# Altium PCB DI543.PcbDoc (part 6 of 8)
Units mil, origin at the board's own origin, x right, y up, seen from the top; angles counter-clockwise.
Board outline 8666.42 x 9192.01 mil, 4 copper layers (Top Layer, Mid-Layer 1, Mid-Layer 2, Bottom Layer), stack 35.6 mil thick; 694 components, 500 nets, 2441 pads, 1661 vias.
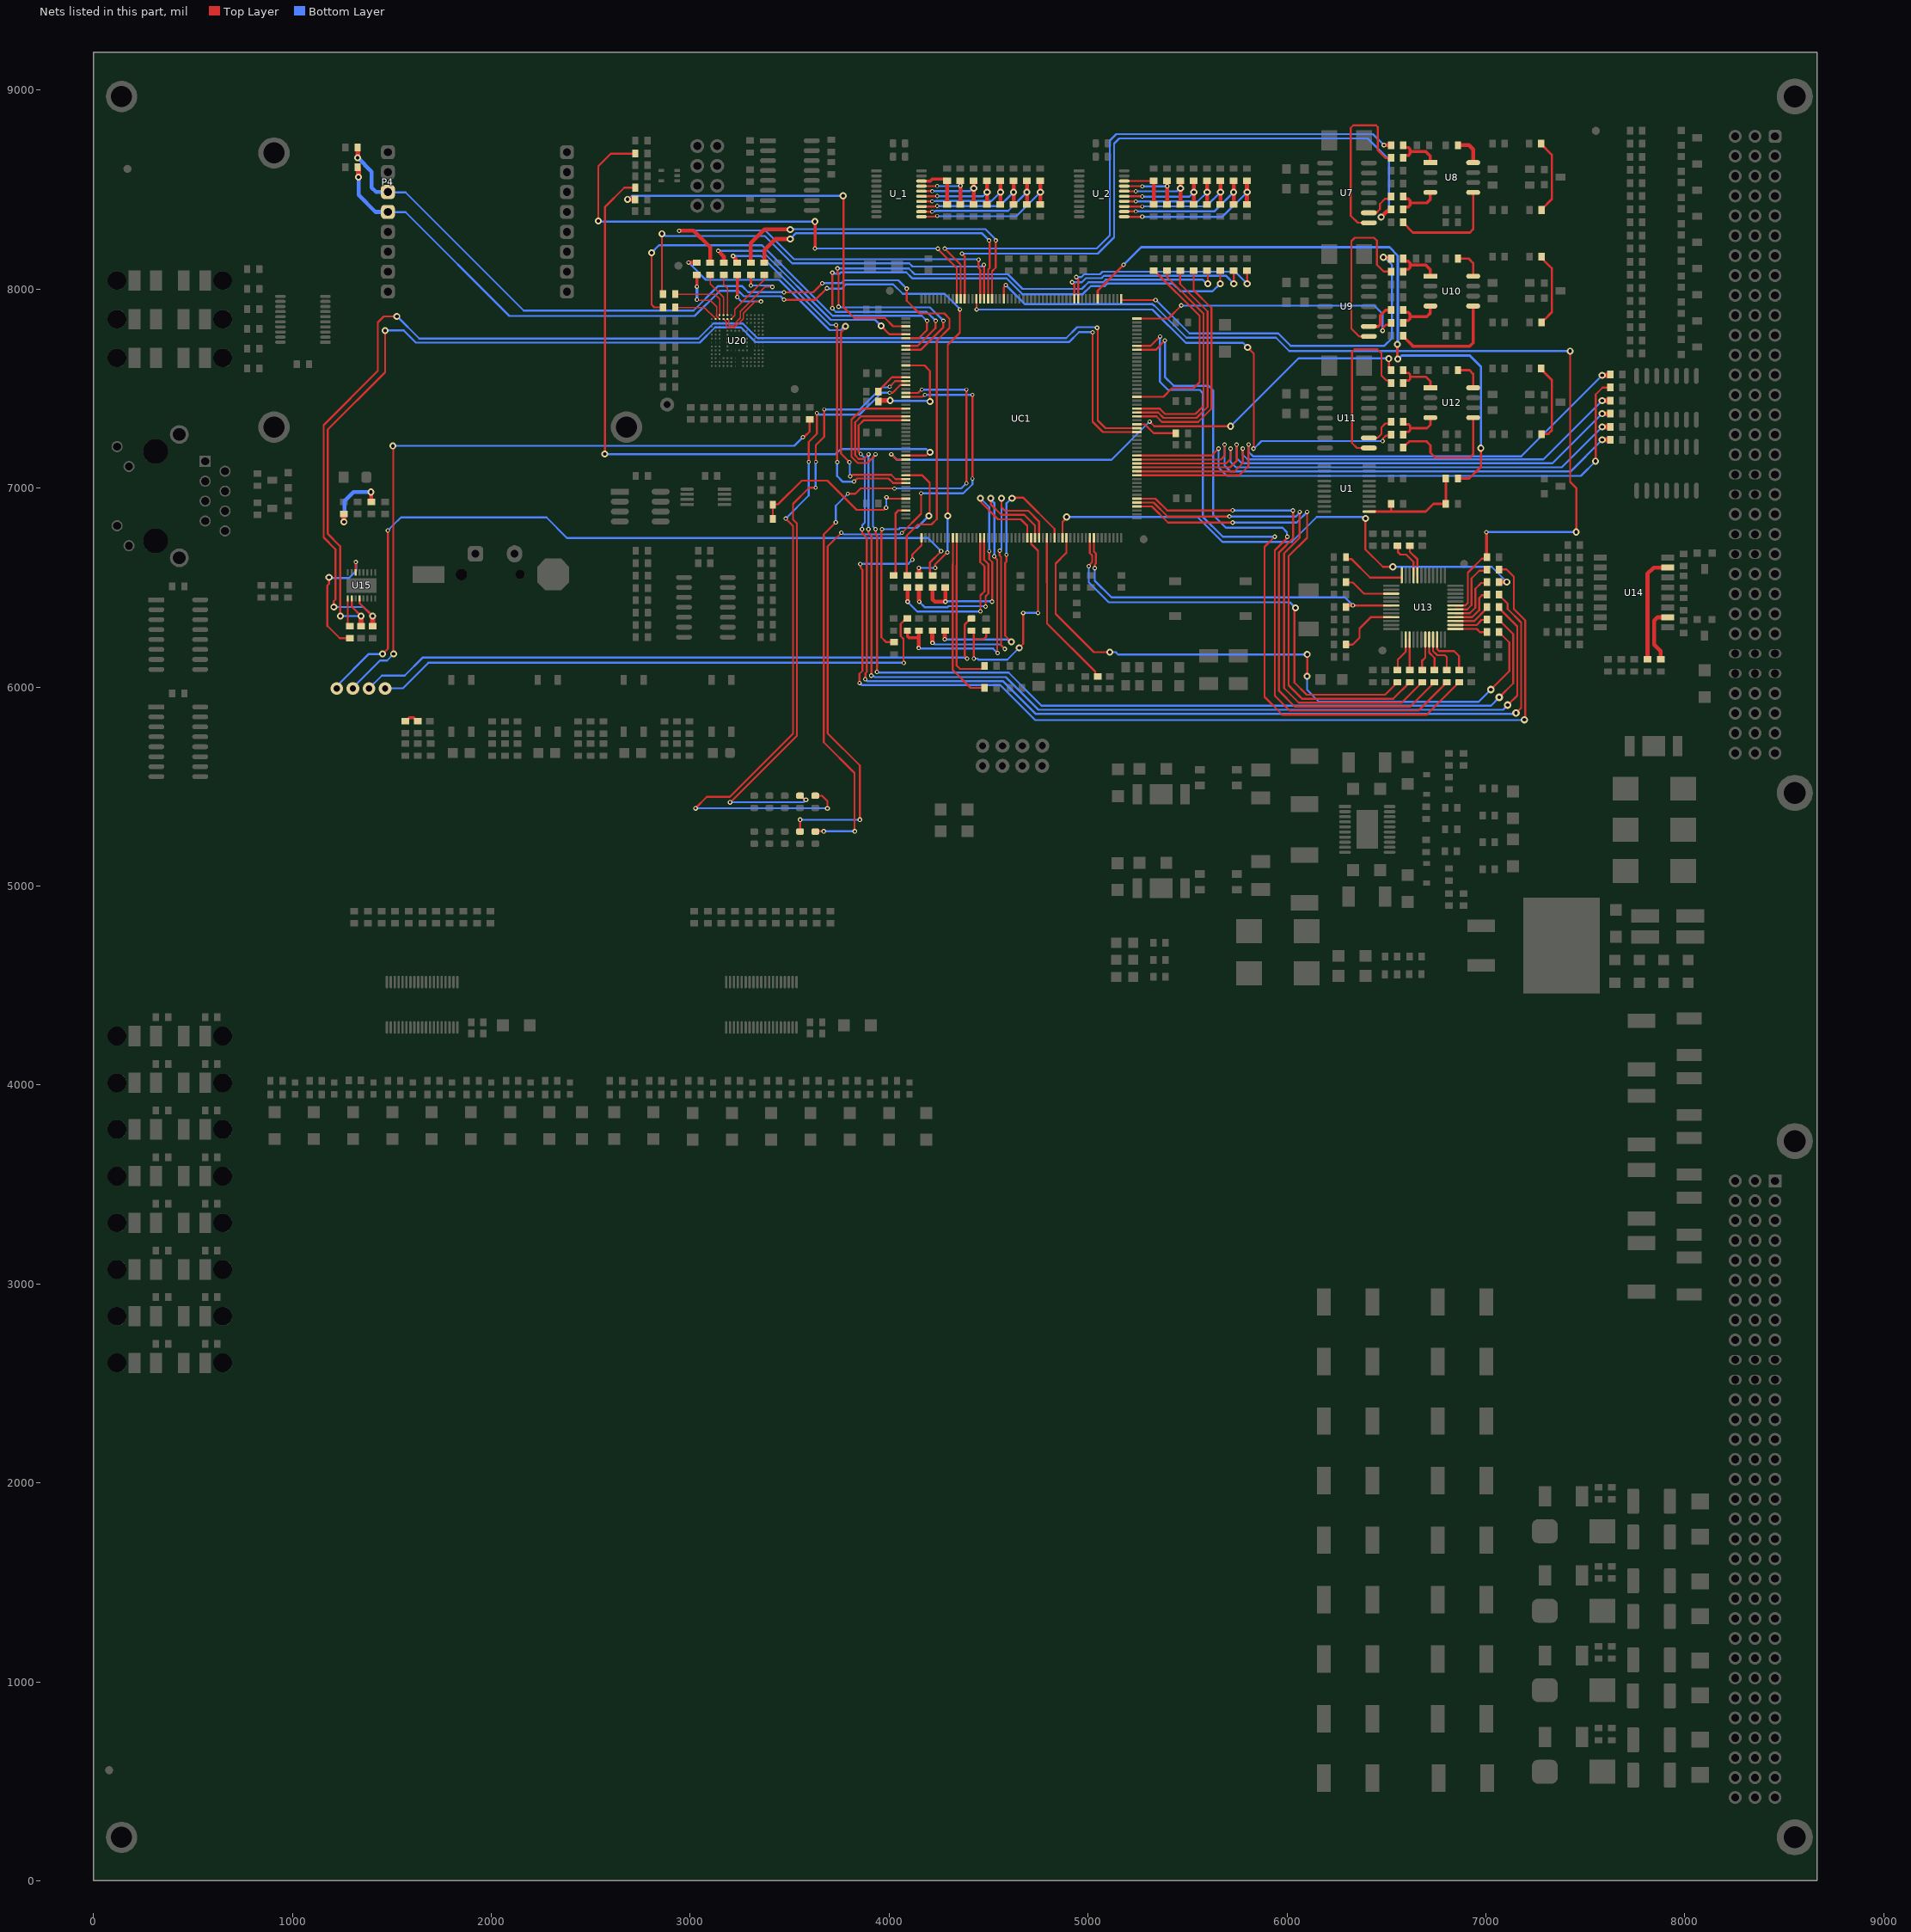
[diagram p8: the nets of this part, all layers, seen from the top]

## Via types
v1: diameter 35, hole 18, Top Layer to Bottom Layer, tented both sides, 586 vias
v2: diameter 32, hole 18, Top Layer to Bottom Layer, tented both sides, 474 vias
v3: diameter 22, hole 12, Top Layer to Bottom Layer, tented both sides, 354 vias
v4: diameter 24, hole 12, Top Layer to Bottom Layer, tented both sides, 80 vias
v5: diameter 38, hole 18, Top Layer to Bottom Layer, tented both sides, 57 vias
v6: diameter 20, hole 12, Top Layer to Bottom Layer, tented both sides, 51 vias
v7: diameter 62.99, hole 31.5, Top Layer to Bottom Layer, tented both sides, 49 vias
v8: diameter 35, hole 19, Top Layer to Bottom Layer, tented both sides, 4 vias
v9: diameter 21, hole 12, Top Layer to Bottom Layer, tented both sides, 3 vias
v10: diameter 35, hole 12, Top Layer to Bottom Layer, tented both sides, 1 vias
v11: diameter 22.01, hole 12, Top Layer to Bottom Layer, tented both sides, 1 vias
v12: diameter 35, hole 22, Top Layer to Bottom Layer, tented both sides, 1 vias

## Nets (pads, with @x,y where several pads share a name; then routed paths per layer and width w, separated by ;. In a path a pad name is that pad's centre, name@x,y a point inside that pad or via, vN(x,y) a via of type N, cw(c..) or ccw(c..) an arc to the next point about the centre after c; other vN are vias at no path point) (continued)
NetP4_1: P4.1 R37.2 R38.1 | length 5047.1
  Top Layer w10: v3(3471.31,7947) 3630.07,7947 v3(3687.99,8004.92) ; v3(4231.62,6598.74) 4231.62,6616.66 4292,6677.05 v3@4292,6677.19 ; v1(4295.26,6860.24) 4295.26,7720.45 4355.86,7781.05 4355.86,7898.18 v3(4356.3,7898.62)
  Top Layer w20: R37.2@1328.27,8612.89 R37.2@1332.82,8608.33 ; v3(4149.61,6599.41) 4149.61,6598.87 4150.45,6598.02 R38.1@4150.45,6561
  Top Layer w25: v1(1332.82,8563.75) R37.2@1332.82,8608.33
  Bottom Layer w10: P4.1@1480.42,8388.48 1481.9,8387 1569.48,8387 2091.32,7865.16 3022.64,7865.16 3148.62,7991.14 3242.82,7991.14 3269.4,7964.57 3454.43,7964.57 v3@3472,7947 ; v3(3687.99,8004.92) 3689.91,8003 3760.87,8003 3782.38,8024.51 4020.77,8024.51 4068.9,7976.38 4279.53,7976.38 4356.3,7899.61 v3(4356.3,7898.62) ; v3(4149.61,6599.41) 4149.94,6599.08 4231.28,6599.08 v3(4231.62,6598.74) ; v3@4292,6677.19 4294.13,6679.32 4294.13,6859.11 v1(4295.26,6860.24)
  Bottom Layer w20: v1(1332.82,8563.75) 1332.82,8473.18 1417.52,8388.48 P4.1@1480.42,8388.48
  other v3: 4292.98,6677.19
NetP4_2: P4.2 R35.2 R36.1 | length 5015.8
  Top Layer w10: R35.2@1328.27,8712.48 R35.2@1328.88,8711.87 ; v3(3471.31,7984.46) 3619.3,7984.46 v3(3664.37,8029.53) ; v3(4088.58,8002.95) 4088.58,7942.42 4153.05,7877.95 4277.56,7877.95 4303.86,7851.65 4303.86,7804.84 4240.16,7741.14 4240.16,6844.16 4213,6817 4145,6817 4088.71,6760.71 R36.1@4088.71,6561
  Top Layer w25: v1(1328.88,8661.19) R35.2@1328.88,8711.87
  Bottom Layer w10: P4.2@1480.42,8488.48 1481.9,8487 1569.48,8487 2163.76,7892.72 3016.73,7892.72 3139.02,8015 3261.58,8015 3291.17,7985.41 3470.36,7985.41 v3(3471.31,7984.46) ; v3(3664.37,8029.53) 3665.76,8030.92 3760.48,8030.92 3774.07,8044.51 4047.03,8044.51 4068.64,8022.89 v3(4088.58,8002.95)
  Bottom Layer w20: v1(1328.88,8661.19) 1399,8591.08 1399,8510 1421,8488 1479.94,8488 P4.2@1480.42,8488.48
NetR1_1: R1.1 UC1.35 | length 1459.9
  Top Layer w10: v9(4590,6665) 4590,6630.28 4583.35,6623.63 4583.35,6259.17 v1(4615.16,6227.36) ; v1@4618.11,6951.77 4674.88,6951.77 4832.2,6794.46 ; UC1.35@4832.51,6750.34 4832.51,6794.46
  Top Layer w20: v3(4279.53,6240.32) 4279.91,6240.7 R1.1@4279.91,6283.72
  Bottom Layer w10: v3(4279.53,6240.32) 4280.97,6238.87 4596.88,6238.87 4608.39,6227.36 v1(4615.16,6227.36) ; v9(4590,6665) 4590.5,6665.5 4590.5,6924.16 v1@4618.11,6951.77
  other v1: 4618.11,6949.8
NetR2_2: R2.2 UC1.164 | length 3065.4
  Top Layer w10: v3(3715,8082.92) 3715.34,8082.58 v3@3715.34,7903.12 ; UC1.164@4084.48,7714.91 4144.04,7714.91 4232.96,7803.83 4232.96,7839.96 v3(4234,7841) ; v1(5665,8028) 5665,8092.21 R2.2@5665.5,8092.7
  Bottom Layer w10: v3(3715,8082.92) 3717.3,8080.63 3719.41,8078.51 3751.5,8078.51 3757.5,8084.51 4086.4,8084.51 4115.79,8055.12 4589.57,8055.12 4669.69,7975 4974.02,7975 5014.39,8015.38 5084.91,8015.38 5097.5,8027.97 5427.03,8027.97 5465.83,7989.17 5626.17,7989.17 v1(5665,8028) ; v3@3715.73,7902.73 3715.73,7902.62 3732.36,7886 4189,7886 v3(4234,7841)
  other v3: 3714.75,7903.72
NetR3_1: R3.1 UC1.77 | length 214.8
  Top Layer w10: UC1.77@5245.9,7321.21 5286.16,7321.21 5331.36,7276 R3.1@5442,7276
NetR4_2: R4.2 UC1.165 | length 3016.3
  Top Layer w10: v3(3740.73,8104.51) 3741.12,8104.12 3741.12,8078.51 3746.12,8073.51 3746.12,7912.47 v3(3745.66,7912) ; UC1.165@4084.48,7695.22 4158.81,7695.22 4273,7809.42 v3(4273,7841) ; R4.2@5598.61,8092.7 5602,8089.31 v1(5602,8028)
  Bottom Layer w10: v3(3740.73,8104.51) 4099.49,8104.51 4128.88,8075.12 4597.85,8075.12 4671.1,8001.87 4969.39,8001.87 5002.9,8035.38 5076.62,8035.38 5089.21,8047.97 5576.01,8047.97 5595.98,8028 v1(5602,8028) ; v3(3745.66,7912) 3747.71,7909.94 3759.06,7909.94 3760.09,7908.91 4205.09,7908.91 v3(4273,7841)
NetR5_1: R5.1 UC1.37 | length 2697.4
  Top Layer w10: UC1.37@4871.88,6750.34 4871.88,6830.19 4892.72,6851.02 v1(4892.72,6855.32) ; v1@6395.67,6848.43 6394.69,6847.44 6394.69,6692.63 6482.99,6604.33 v1(6532.48,6604.33)
  Top Layer w25: R5.1@7066.27,6528.52 v1(7105.32,6528.54)
  Bottom Layer w10: v1(4892.72,6855.32) 5549.97,6855.32 5675.64,6729.65 6024.92,6729.65 6150.59,6855.32 6377.31,6855.32 6379.42,6853.21 6390.89,6853.21 v1@6395.67,6848.43 ; v1(6532.48,6604.33) 7029.53,6604.33 v1(7105.32,6528.54)
  other v1: 6395.67,6847.44
NetR5_2: R5.2 U13.5 | length 277.1
  Top Layer w10: U13.5@6847.23,6371.11 6919.33,6371.11 6947.45,6399.23 6947.45,6494.7 6976.27,6523.52 R5.2@7005.27,6523.52
NetR6_2: R6.2 UC1.169 | length 551.9
  Top Layer w10: UC1.169@4084.48,7616.48 4177.81,7616.48 4205.71,7588.58 v1(4205.71,7435.04)
  Top Layer w20: R6.2@3946.43,7433 3946.43,7434.95 R6.2@3952.43,7440.95
  Top Layer w25: R6.2@3952.43,7440.95 v1@4004.38,7440.95
  Bottom Layer w10: v1(4004.92,7440.95) 4007.22,7438.65 4202.1,7438.65 v1(4205.71,7435.04)
NetR7_1: R7.1 UC1.138 | length 1686.5
  Top Layer w10: UC1.138@4517.55,7951.13 4517.55,8089.55 4536.42,8108.42 v3(4536.42,8244.97) v3@4536.42,8246.06
  Top Layer w20: R7.1@3305,8133.4 3305,8232.17 3373.03,8300.2 v1(3502.95,8300.2)
  Bottom Layer w10: v1(3502.95,8300.2) 3504.61,8301.85 4483.92,8301.85 v3@4536.99,8248.78 ; v3@4536.42,8246.06 v3@4536.42,8248.21
NetR7_2: R7.2 U20.B5 | length 517.2
  Top Layer w5.91: U20.B5@3187.29,7850.39 3187.29,7849.28 3193.11,7843.46 3193.11,7822.76 3199,7816.87 3214.81,7816.87 3252.69,7854.75 ; 3251.91,7855.52 3252.69,7856.3 3252.69,7888.19 3375.9,8011.41 v3(3413.39,8011.41)
  Top Layer w15: R7.2@3305,8072.4 3305.34,8072.07 3305.34,8019.02 v3(3305.68,8018.68)
  Bottom Layer w10: v3(3305.68,8018.68) 3402.87,8018.68 3410.14,8011.41 v3(3413.39,8011.41)
NetR8_2: R8.2 UC1.172 | length 169.7
  Top Layer w10: R8.2@3946.43,7486 3946.43,7489.5 3957.43,7500.5 4014.36,7557.43 UC1.172@4084.48,7557.43
NetR9_1: R9.1 UC1.139 | length 1544
  Top Layer w10: UC1.139@4497.87,7951.13 4497.87,8098.15 4505.88,8106.16 4505.88,8244.12 v3@4504,8246
  Top Layer w20: R9.1@3373,8133.4 3373,8197.8 3427.17,8251.97 v1(3502.95,8251.97)
  Bottom Layer w10: v1(3502.95,8251.97) 3532.83,8281.85 4466.13,8281.85 4501.98,8246 v3@4504,8246
  other v3: 4503.02,8244.97
NetR9_2: R9.2 U20.B6 | length 290.7
  Top Layer w5.91: U20.B6@3206.97,7850.39 3225.16,7868.58 3225.16,7899.87 3350.11,8024.81 3373,8047.7 R9.2@3373,8072.4
NetR10_1: R10.1 UC1.140 | length 2159.3
  Top Layer w10: v1@2858,8269 2858,7981.42 R10.1@2864,7975.42 ; UC1.140@4478.18,7951.13 v3@4478.18,8123.41
  Bottom Layer w10: v1(2858,8278.84) 2864.76,8278.84 2875.92,8267.69 3376.02,8267.69 3513.19,8130.51 4101.77,8130.51 4118.28,8114 4465.48,8114 4473.91,8122.42 v3(4477.15,8122.42)
NetR10_2: R10.2 U20.A3 | length 313.4
  Top Layer w5.91: R10.2@2925,7975.42 3122.61,7975.39 3147.92,7950.08 U20.A3@3147.92,7870.08
NetR11_1: R11.1 UC1.141 | length 2037.5
  Top Layer w10: v3(4450,8148.21) 4450,8107.09 4458.5,8098.59 UC1.141@4458.5,7951.13
  Top Layer w20: v3(2944.1,8293.69) 2944.48,8294.07 2985.03,8294.07 2985.68,8294.72 3017.28,8294.72 3101,8211 R11.1@3101,8133.4
  Bottom Layer w10: v3(2944.1,8293.69) 2945.42,8295 3378,8295 3522.49,8150.51 4447.7,8150.51 v3(4450,8148.21)
NetR11_2: R11.2 U20.A4 | length 229.9
  Top Layer w5.91: R11.2@3101,8072.4 3101,8026 3167.6,7959.4 U20.A4@3167.6,7870.08
NetR12_1: R12.1 UC1.161 | length 1188.2
  Top Layer w10: v1(3959.65,7815.95) 4001.63,7773.96 UC1.161@4084.48,7773.96
  Top Layer w20: v3(3141,8193) 3169,8165 R12.1@3169,8133.4
  Bottom Layer w10: v3(3141,8193) 3360.41,8193 3707.41,7846 3929.59,7846 v1(3959.65,7815.95)
NetR12_2: R12.2 U20.A5 | length 209.9
  Top Layer w5.91: R12.2@3169,8072.4 3169,8023.54 3187.29,8005.25 3187.29,7960.66 U20.A5@3187.29,7870.08
NetR13_1: R13.1 UC1.162 | length 2050.2
  Top Layer w10: v1(2806,8183) 2806,7922.35 2819.55,7908.79 R13.1@2864,7908.79 ; UC1.162@4084.53,7754.23 4149.9,7754.23 4190.94,7795.28 v3@4190.94,7839.57
  Bottom Layer w10: v1(2806,8183) 2843.47,8220.47 3361.22,8220.47 3715.69,7866 4164.51,7866 v3@4190.94,7839.57
  other v3: 4190.94,7841
NetR13_2: R13.2 U20.B2 | length 226.7
  Top Layer w5.91: R13.2@2925,7907 3071.62,7907 U20.B2@3128.23,7850.39
NetR14_1: R14.1 R57.2 R287.2 U1.1 | length 564.9
  Top Layer w12: U1.1@6414.06,6882.27 6698.21,6882.27 6737.2,6921.26 R57.2@6799,6921.26 ; 6524,6882.87 R287.2@6524,6920.36 ; R57.2@6799,6922.05 R14.1@6799,7048.38
NetR14_2: R14.2 UC1.111 | length 3268.1
  Top Layer w11: UC1.111@5049.14,7951.22 5049.14,7991.91 5179.13,8121.9 v3(5179.13,8122.05)
  Top Layer w12: v1(6555.12,7722.23) 6555.12,7652.56 v1(6558.07,7649.61) ; R14.2@6860,7048.38 6916.49,7048.38 6975.39,7107.28 v1(6975.39,7200.79)
  Bottom Layer w12: v3(5179.13,8122.05) 5267.72,8210.63 6515.75,8210.63 6558.07,8168.31 v1@6558.07,7722.23 ; v1@6559.06,7649.61 6559.21,7649.61 6576.6,7667 6919.61,7667 6975.39,7611.22 v1(6975.39,7200.79)
NetR15_1: R15.1 UC1.180 | length 5413.8
  Top Layer w10: v3(3932.37,6793.92) 3932.99,6793.3 3932.99,6766.5 3939.23,6760.27 v3(3939.23,6076.24) ; v3@3936.15,7170.87 3891.59,7126.31 3842.19,7126.31 3811.13,7157.38 3811.13,7345.13 3865.95,7399.95 UC1.180@4084.48,7399.95 ; R15.1@7066.1,6337.75 7137.83,6266.02 7137.83,6018.94 v5(7067.72,5948.82)
  Bottom Layer w10: v3(3932.37,6793.92) 3919,6807.3 3919,7153.88 v3@3935.4,7170.28 ; v3(3939.23,6076.24) 3942.95,6072.52 4600.71,6072.52 4767.23,5906 7024.9,5906 v5(7067.72,5948.82)
  other v3: 3932.15,7170.28
NetR15_2: R15.2 U13.2 | length 168.6
  Top Layer w10: U13.2@6847.23,6312.05 6953.78,6312.05 6979.31,6337.58 R15.2@7005.27,6337.58
NetR16_1: R16.1 UC1.182 | length 5450
  Top Layer w10: v3(3896.54,6793.92) 3896.54,6774.72 3911.86,6759.4 3911.86,6059.62 v3(3909.95,6057.71) ; v3(3896.65,7170.28) 3896.65,7168.71 3874.94,7147 3846.95,7147 3829,7164.95 3829,7331 3858.58,7360.58 UC1.182@4084.48,7360.58 ; R16.1@7078.34,6385.06 7157.83,6305.56 7157.83,5957.44 v5(7109.84,5909.45)
  Bottom Layer w10: v3(3896.65,7170.28) 3896,7169.62 3896,6800.71 3899.54,6797.17 v3@3899.54,6793.92 ; v3(3909.95,6057.71) 3912.24,6055.42 3922.93,6055.42 3928.11,6050.24 4586.57,6050.24 4750.81,5886 7086.39,5886 v5(7109.84,5909.45)
NetR16_2: R16.2 U13.3 | length 188.2
  Top Layer w10: U13.3@6847.23,6331.74 6940.95,6331.74 7005.27,6396.06 R16.2@7005.27,6399.56
NetR17_2: R17.2 UC1.116 | length 1073.1
  Top Layer w10: v3(4940.74,8060.82) 4940.74,8057.58 4950.62,8047.7 UC1.116@4950.62,7951.13 ; R17.2@5799.28,8092.7 5800,8091.98 v1@5800,8029
  Bottom Layer w10: v3(4940.74,8060.82) 4940.89,8060.97 4966.74,8060.97 4981.15,8075.38 5060.06,8075.38 5072.65,8087.97 5740.03,8087.97 v1(5800,8028)
NetR18_1: R18.1 UC1.183 | length 5552.9
  Top Layer w10: v6(3857.31,7172) 3857.31,7172.43 3846.87,7182.86 3846.87,7315.87 3871.89,7340.89 UC1.183@4084.48,7340.89 ; v3@3865.16,6793.92 3865.16,6773.62 3888,6750.78 3888,6076 3880.91,6068.91 v3@3880.91,6041.74 ; R18.1@7066.27,6465.71 7066.27,6462.21 7109.25,6419.23 7109.25,6392.72 7177.83,6324.13 7177.83,5895.94 v5(7151.97,5870.08)
  Bottom Layer w10: v6(3857.31,7172) 3878,7151.31 3878,6827 3865.16,6814.16 v3@3865.16,6793.92 ; v3@3883.57,6039.19 v3(3880.66,6039.19) 3889.62,6030.24 4572.13,6030.24 4736.36,5866 7147.89,5866 v5(7151.97,5870.08)
  other v3: 3864.16,6793.92
NetR18_2: R18.2 U13.4 | length 239.4
  Top Layer w10: U13.4@6847.23,6351.42 6931.14,6351.42 6966.54,6386.81 6966.54,6447.83 6980.13,6461.43 7005.16,6461.43 R18.2@7005.27,6461.54
NetR19_2: R19.2 UC1.117 | length 996.2
  Top Layer w10: v3(4920.18,8034.82) 4920.18,8034.72 4930.94,8023.96 UC1.117@4930.94,7951.13 ; R19.2@5732.39,8092.7 5733,8092.09 v1(5733,8028)
  Bottom Layer w10: v3(4920.18,8034.82) 4968.88,8034.82 4989.43,8055.38 5068.34,8055.38 5080.93,8067.97 5693.03,8067.97 v1(5733,8028)
NetR20_1: R20.1 UC1.65 | length 2638.2
  Top Layer w10: UC1.65@5245.9,7084.99 5246.39,7084.49 5737.49,7084.49 5778.08,7125.08 v3@5778.08,7198.87
  Top Layer w25: v1@7580,7440 R20.1@7626,7439.98
  Bottom Layer w10: v3@5778.08,7198.87 5778.08,7168.92 5802.31,7144.69 7289.69,7144.69 v1(7585,7440)
  other v3: 5778.08,7198.84
NetR21_1: R21.1 UC1.66 | length 2656.2
  Top Layer w10: UC1.66@5245.9,7104.67 5714.67,7104.67 5747.68,7137.68 v3@5747.68,7218.53 ; v1@7584,7374 v1(7585,7374) ; R21.1@7625.88,7374 R21.1@7626,7374.12
  Top Layer w25: v1(7585,7374) R21.1@7625.88,7374
  Bottom Layer w10: v3@5747.68,7218.53 5747.68,7151.32 5774.31,7124.69 7334.69,7124.69 v1@7584,7374
  other v3: 5747.68,7218.55
NetR22_1: R22.1 UC1.67 | length 2603.8
  Top Layer w10: UC1.67@5245.9,7124.36 5694.36,7124.36 5717.27,7147.27 v3(5717.27,7198.84) ; R22.1@7625.73,7308 R22.1@7626,7308.27
  Top Layer w25: v1(7585,7308) R22.1@7625.73,7308
  Bottom Layer w10: v3(5717.27,7198.84) 5717.27,7131.73 5744.31,7104.69 7381.69,7104.69 v1(7585,7308)
NetR23_1: R23.1 U13.6 | length 317.1
  Top Layer w10: U13.6@6847.23,6390.79 6906.54,6390.79 6928.15,6412.4 6928.15,6546.26 6967.39,6585.5 R23.1@7005.27,6585.5
NetR23_2: R23.2 UC1.1 | length 5271.1
  Top Layer w10: v3(3851.38,6020.67) 3851.38,6066.38 3866.5,6081.5 3866.5,6589.77 3857.3,6598.97 3857.3,6616.7 v3(3855,6619) ; v3(4117.13,6639.76) 4117.13,6666.13 4163.22,6712.22 UC1.1@4163.22,6750.34 ; R23.2@7066.27,6591.34 7104.53,6591.34 7140.75,6555.12 7140.75,6392.72 7198.82,6334.65 7198.82,5835.43 v5@7194.09,5830.71
  Bottom Layer w10: v3(3851.38,6020.67) 3852.8,6020.67 3863.24,6010.24 4558.66,6010.24 4734.9,5834 7190.8,5834 v5@7194.09,5830.71 ; v3(3855,6619) 3855.5,6619.5 4096.87,6619.5 v3(4117.13,6639.76)
  other v5: 7194.09,5835.63
NetR24_1: R24.1 UC1.68 | length 2627.2
  Top Layer w10: UC1.68@5245.9,7144.04 5668.04,7144.04 5686.87,7162.87 v3@5686.87,7218.53 ; R24.1@7625.42,7243 R24.1@7625.87,7242.55
  Top Layer w25: v1(7585,7243) R24.1@7625.42,7243
  Bottom Layer w10: v3@5686.87,7218.53 5686.87,7113.13 5716.34,7083.66 7425.66,7083.66 v1(7585,7243)
  other v3: 5686.87,7218.55
NetR25_1: R25.1 UC1.69 | length 2887.7
  Top Layer w10: UC1.69@5245.9,7163.73 5621.35,7163.73 v3(5656.46,7198.84) ; v1(7552.17,7135.83) 7552.17,7471.17 7587,7506 7625.83,7506 R25.1@7626,7505.83
  Bottom Layer w10: v3(5656.46,7198.84) 5656.46,7103.54 5698.16,7061.84 7478.18,7061.84 v1(7552.17,7135.83)
NetR28_2: R28.2 UC1.79 | length 1144.7
  Top Layer w10: UC1.79@5245.9,7360.58 5344.15,7360.58 5371.72,7333 5554.2,7333 5621,7399.8 5621,7905.58 5531,7995.58 5531,8091.99 R28.2@5531.72,8092.7
NetR29_1: R29.1 U20.B3 | length 305.7
  Top Layer w5.91: v3@3031.47,7947.53 3034,7945 3101,7945 3134.06,7911.94 3134.06,7864.34 U20.B3@3145,7853.4 ; R29.1@3033,8072.4 R29.1@3034,8071.4
  Top Layer w15: v3(3034,8013) R29.1@3034,8071.4
  Bottom Layer w15: v3(3034,7947.53) v3(3034,8013)
NetR29_2: R29.2 UC1.198 | length 2056.6
  Top Layer w10: R29.2@3029.32,8137.08 R29.2@3033,8133.4 ; v1(3781.5,7812.99) 3781.5,7807.16 3758,7783.66 3758,7173.66 v3@3800.85,7130.81 ; v3(3804,7058.99) 3807.25,7058.99 3815.37,7067.12 4010.88,7067.12 4032.38,7045.62 UC1.198@4084.48,7045.62
  Top Layer w20: v3(2992,8134) 3026.24,8134 R29.2@3029.32,8137.08
  Bottom Layer w10: v3(2992,8134) 3078.76,8047.24 3447.76,8047.24 3701,7794 3755.74,7794 3774.73,7812.99 v1(3781.5,7812.99) ; v3@3800.85,7129.82 3802.43,7128.25 3802.43,7060.56 v3(3804,7058.99)
  other v3: 3800.85,7130.67
NetR30_2: R30.2 UC1.80 | length 1131.7
  Top Layer w10: UC1.80@5245.9,7380.26 5353,7380.26 5380.27,7353 5545.91,7353 5601,7408.09 5601,7888.4 5463,8026.4 5463,8090.88 R30.2@5464.83,8092.7
NetR31_1: R31.1 U20.B4 | length 532.6
  Top Layer w5.91: U20.B4@3167.6,7850.39 3178,7839.99 3178,7839.71 3181.3,7836.41 3181.3,7813.65 3189.89,7805.06 3219.7,7805.06 3266.72,7852.08 3266.72,7878.93 3325.8,7938 v3(3356,7938)
  Top Layer w15: v3(3237,7960.19) R31.1@3237,8072.4
  Bottom Layer w10: v3(3237,7960.19) 3237,7959 3256.9,7939.1 3354.9,7939.1 v3(3356,7938)
NetR31_2: R31.2 UC1.199 | length 1841
  Top Layer w10: v3(3733.27,7820) 3733.27,7819.01 3739.17,7813.11 v3(3739.17,7130.67) ; v3(3824,7033.73) 3839.19,7048.92 3997.08,7048.92 4020.07,7025.93 UC1.199@4084.48,7025.93
  Top Layer w20: v3(3215.55,8167) 3215.55,8166.46 3227.5,8154.51 3227.5,8139.4 3233.5,8133.4 R31.2@3237,8133.4
  Bottom Layer w10: v3(3215.55,8167) 3357,8167 3704,7820 v3(3733.27,7820) ; v3(3739.17,7130.67) 3739.17,7060.08 3766.26,7032.99 3823.26,7032.99 v3(3824,7033.73)
NetR32_2: R32.2 UC1.81 | length 1118
  Top Layer w10: UC1.81@5245.9,7399.95 5360.88,7399.95 5387.83,7373 5540.14,7373 5560.84,7393.7 5561.02,7393.7 5581,7413.68 5581,7877.72 5397.94,8060.78 R32.2@5397.94,8092.7
NetR33_2: R33.2 UC1.84 | length 1003.1
  Top Layer w10: UC1.84@5245.9,7459 5379.28,7459 5422.24,7501.97 5530.51,7501.97 5561,7532.46 5561,7866.25 5334.55,8092.7 R33.2@5331.05,8092.7
NetR34_2: R34.2 UC1.9 | length 861.4
  Top Layer w10: UC1.9@4320.7,6750.34 4320.7,6619.55 4319.92,6618.77 4319.92,6086.57 4409.94,5996.56 R34.2@4479.89,5996.56
NetR36_2: R36.2 UC1.16 | length 844.6
  Top Layer w10: UC1.16@4458.5,6750.34 4458.5,6628.5 4479.74,6607.26 4479.74,6481.74 4459.29,6461.29 v3(4459.29,6381)
  Top Layer w20: v3@4093,6429 R36.2@4093,6500
  Bottom Layer w10: v3@4093,6429 4142,6380 4458.29,6380 v3(4459.29,6381)
  other v3: 4093,6429.41
NetR38_2: R38.2 UC1.17 | length 779
  Top Layer w10: UC1.17@4478.18,6750.34 4478.18,6638.82 4499,6618 4499,6471 4485.09,6457.09 4485.09,6405.21 v3(4485.29,6405)
  Top Layer w20: R38.2@4150.45,6500 4150.45,6430.8 4151.57,6429.68 v3(4151.57,6429.13)
  Bottom Layer w10: v3(4151.57,6429.13) 4178.71,6402 4294,6402 4299,6407 4483.29,6407 v3(4485.29,6405)
NetR39_2: R39.2 UC1.33 | length 803.5
  Top Layer w10: UC1.33@4793.14,6750.34 4793.14,6526.38 4794.44,6525.08 4794.44,6319.73 5036.35,6077.83 5036.35,6064.29 5047.35,6053.29 R39.2@5048.52,6053.29
NetR40_1: R40.1 UC1.206 | length 374.5
  Top Layer w10: R40.1@4023.02,6561 4033,6570.98 4033,6874 4047.14,6888.14 UC1.206@4084.48,6888.14
NetR41_2: R41.2 UC1.10 | length 797.5
  Top Layer w10: UC1.10@4340.39,6750.34 4340.39,6610.96 4339.92,6610.49 4339.92,6107.91 4356.34,6091.5 4412.61,6091.5 4468.89,6091.52 4479.89,6102.52 R41.2@4479.89,6106.02
NetR42_2: R42.2 R43.2 UC1.28 | length 1349.9
  Top Layer w10: R42.2@4280.23,6503.34 R42.2@4283.38,6500.18 ; v1(4458.66,6949.8) 4463.28,6945.19 4463.28,6928.46 4548.23,6843.5 4662.4,6843.5 4695,6810.91 4695,6750.63 UC1.28@4694.72,6750.34 ; v6(4503.18,6683) 4503.18,6643.82 4519,6628 4519,6431.06 v3(4517.35,6429.41)
  Top Layer w20: R43.2@4219.09,6500 4218.5,6499.42 4218.5,6441.13 4230.22,6429.41 v3(4283,6429.41) 4283,6499.8 R42.2@4283.38,6500.18
  Bottom Layer w10: v3(4283,6429.41) 4284.59,6431 4515.76,6431 v3(4517.35,6429.41) ; v1(4458.66,6949.8) 4503.18,6905.28 v6(4503.18,6683)
NetR43_1: R43.1 | length 3968.9
  Top Layer w10: v1@1453.76,6166.36 1480.32,6192.91 v3(1480.32,6787.4) ; R43.1@4216.14,6561 4215.72,6561 4204.72,6572 4204.72,6625.13 4261.57,6681.98 v3(4261.57,6683.39)
  Bottom Layer w10: v7@1224.41,5995.08 1224.41,6005.91 1384.84,6166.34 v1@1453.72,6166.34 ; v3(1480.32,6787.4) 1509.02,6816.11 1546.26,6853.35 2277.56,6853.35 2381.16,6749.75 4195.78,6749.75 4261.57,6683.95 v3(4261.57,6683.39)